# KiCad board eurocard mux.kicad_pcb (continued)
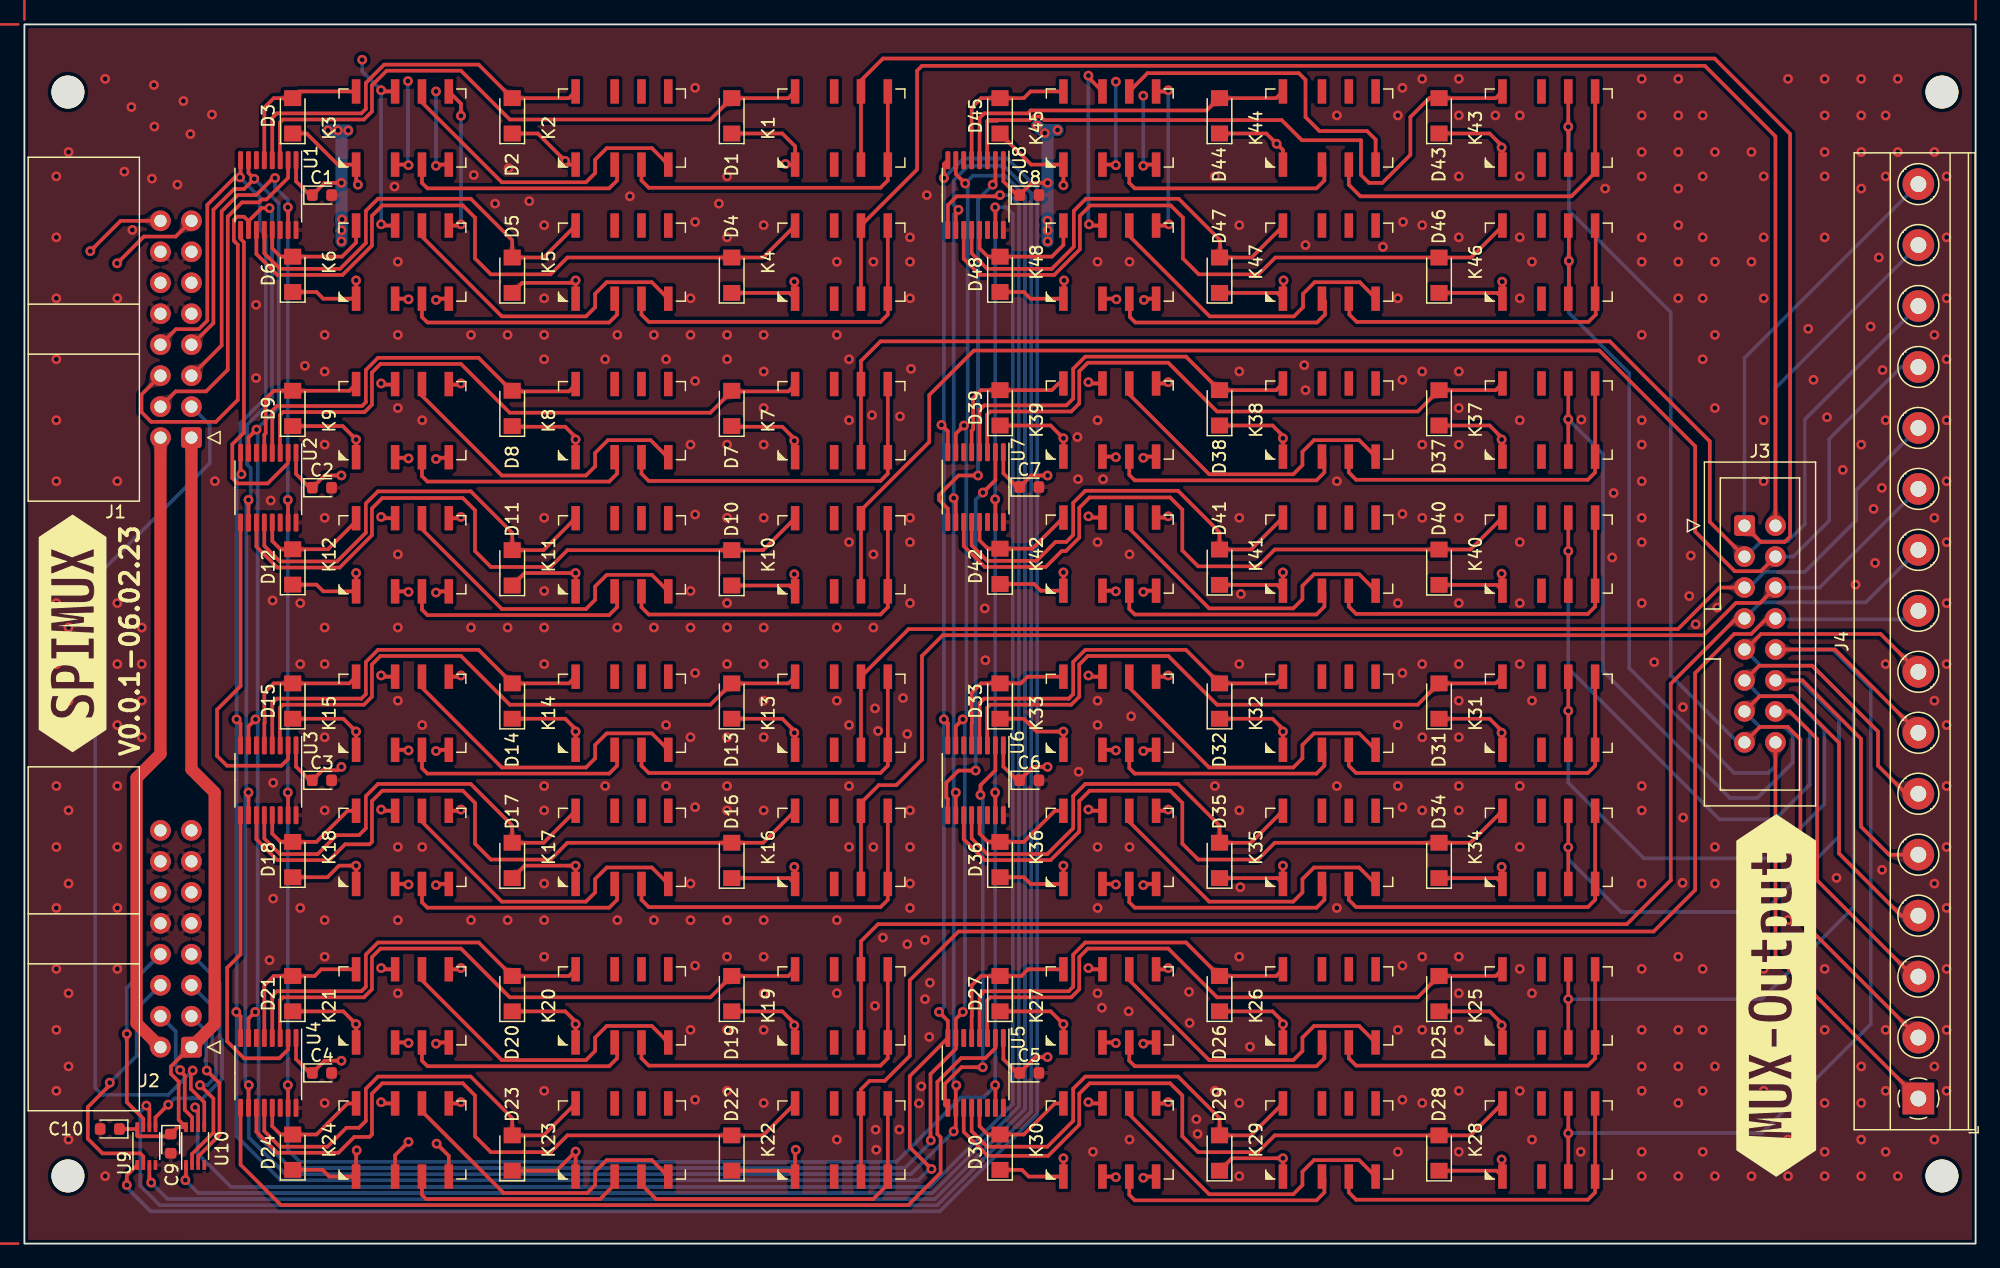
[diagram p0: board, top side]
## Copper pours and planes (outline as drawn; the poured copper is in the pictures) (continued)
/Relay_group1/Relays2/ai/pow on Top: 39.85,82.17 39.84,82.02 39.82,81.89 39.8,81.79 39.76,81.7 39.71,81.62 39.66,81.54 39.6,81.47 39.54,81.38 39.48,81.28 39.42,81.16 40,80.55 40.58,81.16 40.52,81.28 40.46,81.38 40.4,81.47 40.34,81.54 40.29,81.62 40.24,81.7 40.2,81.79 40.18,81.89 40.16,82.02 40.15,82.17
/Relay_group1/Relays2/in/out on Top: 23.29,81.1 23.14,81.11 23.02,81.13 22.91,81.15 22.82,81.19 22.74,81.24 22.67,81.29 22.59,81.35 22.5,81.41 22.4,81.47 22.28,81.53 21.67,80.95 22.28,80.36 22.4,80.43 22.5,80.49 22.59,80.55 22.67,80.61 22.74,80.66 22.82,80.71 22.91,80.75 23.02,80.77 23.14,80.79 23.29,80.8
/Relay_group1/Relays2/in/out on Top: 20.68,81.06 20.79,80.96 20.88,80.89 20.97,80.83 21.05,80.79 21.21,80.72 21.28,80.68 21.36,80.64 21.45,80.57 21.54,80.49 22.33,80.95 21.72,81.53 21.62,81.48 21.53,81.41 21.37,81.28 21.29,81.23 21.22,81.18 21.14,81.16 21.06,81.16 20.98,81.2 20.89,81.27
/Relay_group1/Relays2/on/off on Top: 59.29,81.03 59.14,81.04 59.02,81.05 58.91,81.08 58.82,81.12 58.74,81.17 58.67,81.22 58.59,81.28 58.5,81.34 58.4,81.4 58.28,81.46 57.67,80.88 58.28,80.29 58.4,80.36 58.5,80.42 58.59,80.48 58.67,80.54 58.74,80.59 58.82,80.64 58.91,80.67 59.02,80.7 59.14,80.72 59.29,80.73
/Relay_group1/Relays2/on/off on Top: 56.71,80.73 56.86,80.72 56.98,80.7 57.09,80.67 57.18,80.64 57.26,80.59 57.33,80.54 57.41,80.48 57.5,80.42 57.6,80.36 57.72,80.29 58.33,80.88 57.72,81.46 57.6,81.4 57.5,81.34 57.41,81.28 57.33,81.22 57.26,81.17 57.18,81.12 57.09,81.08 56.98,81.05 56.86,81.04 56.71,81.03
/Relay_group2/Relays1/ai/pow on Top: 41.29,70.05 41.14,70.06 41.02,70.08 40.92,70.11 40.84,70.14 40.76,70.19 40.69,70.25 40.53,70.37 40.44,70.44 40.33,70.51 39.68,69.98 40.24,69.34 40.36,69.4 40.47,69.46 40.56,69.51 40.64,69.56 40.72,69.61 40.81,69.66 40.9,69.7 41.01,69.73 41.14,69.74 41.29,69.75
/Relay_group2/Relays1/ai/pow on Top: 38.98,70.71 39.08,70.6 39.16,70.5 39.21,70.4 39.24,70.31 39.27,70.22 39.28,70.13 39.3,70.04 39.32,69.94 39.35,69.83 39.4,69.7 40.24,69.73 40.18,70.58 40.05,70.61 39.94,70.62 39.84,70.63 39.75,70.64 39.66,70.66 39.57,70.67 39.49,70.71 39.4,70.75 39.3,70.82 39.19,70.92
/Relay_group2/Relays1/in/out on Top: 23.29,70.1 23.14,70.11 23.02,70.13 22.91,70.15 22.82,70.19 22.74,70.24 22.67,70.29 22.59,70.35 22.5,70.41 22.4,70.47 22.28,70.53 21.67,69.95 22.28,69.36 22.4,69.43 22.5,69.49 22.59,69.55 22.67,69.61 22.74,69.66 22.82,69.71 22.91,69.75 23.02,69.77 23.14,69.79 23.29,69.8
/Relay_group2/Relays1/in/out on Top: 20.71,69.8 20.86,69.79 20.98,69.77 21.09,69.75 21.18,69.71 21.26,69.66 21.33,69.61 21.41,69.55 21.5,69.49 21.6,69.43 21.72,69.36 22.33,69.95 21.72,70.53 21.6,70.47 21.5,70.41 21.41,70.35 21.33,70.29 21.26,70.24 21.18,70.19 21.09,70.15 20.98,70.13 20.86,70.11 20.71,70.1
/Relay_group2/Relays1/on/off on Top: 57.21,68.9 57.32,69 57.43,69.08 57.52,69.13 57.62,69.17 57.71,69.2 57.8,69.22 57.9,69.24 58,69.27 58.12,69.3 58.25,69.35 58.22,70.19 57.38,70.13 57.34,70 57.32,69.89 57.3,69.68 57.28,69.59 57.26,69.5 57.22,69.41 57.17,69.32 57.1,69.22 57,69.11
/Relay_group2/Relays1/on/off on Top: 59.29,70.05 59.14,70.06 59.02,70.08 58.92,70.11 58.84,70.14 58.76,70.19 58.69,70.25 58.53,70.37 58.44,70.44 58.33,70.51 57.68,69.98 58.24,69.34 58.36,69.4 58.47,69.46 58.56,69.51 58.64,69.56 58.72,69.61 58.81,69.66 58.9,69.7 59.01,69.73 59.14,69.74 59.29,69.75
/Relay_group2/Relays2/ai/pow on Top: 41.29,57.03 41.14,57.04 41.02,57.05 40.91,57.08 40.82,57.12 40.74,57.17 40.67,57.22 40.59,57.28 40.5,57.34 40.4,57.4 40.28,57.46 39.67,56.88 40.28,56.29 40.4,56.36 40.5,56.42 40.59,56.48 40.67,56.54 40.74,56.59 40.82,56.64 40.91,56.67 41.02,56.7 41.14,56.72 41.29,56.73
/Relay_group2/Relays2/ai/pow on Top: 39.85,58.17 39.84,58.02 39.82,57.89 39.8,57.79 39.76,57.7 39.71,57.62 39.66,57.54 39.6,57.47 39.54,57.38 39.48,57.28 39.42,57.16 40,56.55 40.58,57.16 40.52,57.28 40.46,57.38 40.4,57.47 40.34,57.54 40.29,57.62 40.24,57.7 40.2,57.79 40.18,57.89 40.16,58.02 40.15,58.17
/Relay_group2/Relays2/in/out on Top: 20.68,57.06 20.79,56.96 20.88,56.89 20.97,56.83 21.05,56.79 21.21,56.72 21.28,56.68 21.36,56.64 21.45,56.57 21.54,56.49 22.33,56.95 21.72,57.53 21.62,57.48 21.53,57.41 21.37,57.28 21.29,57.23 21.22,57.18 21.14,57.16 21.06,57.16 20.98,57.2 20.89,57.27
/Relay_group2/Relays2/in/out on Top: 23.29,57.1 23.14,57.11 23.02,57.13 22.91,57.15 22.82,57.19 22.74,57.24 22.67,57.29 22.59,57.35 22.5,57.41 22.4,57.47 22.28,57.53 21.67,56.95 22.28,56.36 22.4,56.43 22.5,56.49 22.59,56.55 22.67,56.61 22.74,56.66 22.82,56.71 22.91,56.75 23.02,56.77 23.14,56.79 23.29,56.8
/Relay_group2/Relays2/on/off on Top: 56.71,56.73 56.86,56.72 56.98,56.7 57.09,56.67 57.18,56.64 57.26,56.59 57.33,56.54 57.41,56.48 57.5,56.42 57.6,56.36 57.72,56.29 58.33,56.88 57.72,57.46 57.6,57.4 57.5,57.34 57.41,57.28 57.33,57.22 57.26,57.17 57.18,57.12 57.09,57.08 56.98,57.05 56.86,57.04 56.71,57.03
/Relay_group2/Relays2/on/off on Top: 59.29,57.03 59.14,57.04 59.02,57.05 58.91,57.08 58.82,57.12 58.74,57.17 58.67,57.22 58.59,57.28 58.5,57.34 58.4,57.4 58.28,57.46 57.67,56.88 58.28,56.29 58.4,56.36 58.5,56.42 58.59,56.48 58.67,56.54 58.74,56.59 58.82,56.64 58.91,56.67 59.02,56.7 59.14,56.72 59.29,56.73
/Relay_group3/Relays1/ai/pow on Top: 38.98,46.76 39.08,46.65 39.16,46.54 39.21,46.45 39.25,46.36 39.27,46.27 39.29,46.18 39.3,46.08 39.32,45.98 39.35,45.86 39.39,45.74 40.23,45.72 40.21,46.56 40.09,46.6 39.97,46.63 39.87,46.65 39.77,46.66 39.68,46.68 39.59,46.7 39.5,46.74 39.41,46.79 39.3,46.87 39.19,46.97
/Relay_group3/Relays1/ai/pow on Top: 41.29,46.1 41.14,46.11 41.02,46.13 40.91,46.15 40.82,46.19 40.74,46.24 40.67,46.29 40.59,46.35 40.5,46.41 40.4,46.47 40.28,46.53 39.67,45.95 40.28,45.36 40.4,45.43 40.5,45.49 40.59,45.55 40.67,45.61 40.74,45.66 40.82,45.71 40.91,45.75 41.02,45.77 41.14,45.79 41.29,45.8
/Relay_group3/Relays1/in/out on Top: 20.71,45.8 20.86,45.79 20.98,45.77 21.09,45.75 21.18,45.71 21.26,45.66 21.33,45.61 21.41,45.55 21.5,45.49 21.6,45.43 21.72,45.36 22.33,45.95 21.72,46.53 21.6,46.47 21.5,46.41 21.41,46.35 21.33,46.29 21.26,46.24 21.18,46.19 21.09,46.15 20.98,46.13 20.86,46.11 20.71,46.1
/Relay_group3/Relays1/in/out on Top: 23.29,46.1 23.14,46.11 23.02,46.13 22.91,46.15 22.82,46.19 22.74,46.24 22.67,46.29 22.59,46.35 22.5,46.41 22.4,46.47 22.28,46.53 21.67,45.95 22.28,45.36 22.4,45.43 22.5,45.49 22.59,45.55 22.67,45.61 22.74,45.66 22.82,45.71 22.91,45.75 23.02,45.77 23.14,45.79 23.29,45.8
/Relay_group3/Relays1/on/off on Top: 59.29,46.1 59.14,46.11 59.02,46.13 58.91,46.15 58.82,46.19 58.74,46.24 58.67,46.29 58.59,46.35 58.5,46.41 58.4,46.47 58.28,46.53 57.67,45.95 58.28,45.36 58.4,45.43 58.5,45.49 58.59,45.55 58.67,45.61 58.74,45.66 58.82,45.71 58.91,45.75 59.02,45.77 59.14,45.79 59.29,45.8
/Relay_group3/Relays1/on/off on Top: 57.19,44.93 57.3,45.03 57.41,45.11 57.5,45.16 57.59,45.2 57.68,45.22 57.77,45.24 57.87,45.25 57.97,45.27 58.09,45.3 58.21,45.34 58.23,46.18 57.39,46.16 57.35,46.04 57.32,45.92 57.3,45.82 57.29,45.72 57.27,45.63 57.25,45.54 57.21,45.45 57.16,45.36 57.08,45.25 56.98,45.14
/Relay_group3/Relays2/ai/pow on Top: 41.29,33.03 41.14,33.04 41.02,33.05 40.91,33.08 40.82,33.12 40.74,33.17 40.67,33.22 40.59,33.28 40.5,33.34 40.4,33.4 40.28,33.46 39.67,32.88 40.28,32.29 40.4,32.36 40.5,32.42 40.59,32.48 40.67,32.54 40.74,32.59 40.82,32.64 40.91,32.67 41.02,32.7 41.14,32.72 41.29,32.73
/Relay_group3/Relays2/ai/pow on Top: 39.85,34.17 39.84,34.02 39.82,33.89 39.8,33.79 39.76,33.7 39.71,33.62 39.66,33.54 39.6,33.47 39.54,33.38 39.48,33.28 39.42,33.16 40,32.55 40.58,33.16 40.52,33.28 40.46,33.38 40.4,33.47 40.34,33.54 40.29,33.62 40.24,33.7 40.2,33.79 40.18,33.89 40.16,34.02 40.15,34.17
/Relay_group3/Relays2/in/out on Top: 20.68,33.06 20.79,32.96 20.88,32.89 20.97,32.83 21.05,32.79 21.21,32.72 21.28,32.68 21.36,32.64 21.45,32.57 21.54,32.49 22.33,32.95 21.72,33.53 21.62,33.48 21.53,33.41 21.37,33.28 21.29,33.23 21.22,33.18 21.14,33.16 21.06,33.16 20.98,33.2 20.89,33.27
/Relay_group3/Relays2/in/out on Top: 23.29,33.1 23.14,33.11 23.02,33.13 22.91,33.15 22.82,33.19 22.74,33.24 22.67,33.29 22.59,33.35 22.5,33.41 22.4,33.47 22.28,33.53 21.67,32.95 22.28,32.36 22.4,32.43 22.5,32.49 22.59,32.55 22.67,32.61 22.74,32.66 22.82,32.71 22.91,32.75 23.02,32.77 23.14,32.79 23.29,32.8
/Relay_group3/Relays2/on/off on Top: 59.29,33.03 59.14,33.04 59.02,33.05 58.91,33.08 58.82,33.12 58.74,33.17 58.67,33.22 58.59,33.28 58.5,33.34 58.4,33.4 58.28,33.46 57.67,32.88 58.28,32.29 58.4,32.36 58.5,32.42 58.59,32.48 58.67,32.54 58.74,32.59 58.82,32.64 58.91,32.67 59.02,32.7 59.14,32.72 59.29,32.73
/Relay_group3/Relays2/on/off on Top: 56.71,32.73 56.86,32.72 56.98,32.7 57.09,32.67 57.18,32.64 57.26,32.59 57.33,32.54 57.41,32.48 57.5,32.42 57.6,32.36 57.72,32.29 58.33,32.88 57.72,33.46 57.6,33.4 57.5,33.34 57.41,33.28 57.33,33.22 57.26,33.17 57.18,33.12 57.09,33.08 56.98,33.05 56.86,33.04 56.71,33.03
/Relay_group4/Relays1/ai/pow on Top: 41.29,22.1 41.14,22.11 41.02,22.13 40.91,22.15 40.82,22.19 40.74,22.24 40.67,22.29 40.59,22.35 40.5,22.41 40.4,22.47 40.28,22.53 39.67,21.95 40.28,21.36 40.4,21.43 40.5,21.49 40.59,21.55 40.67,21.61 40.74,21.66 40.82,21.71 40.91,21.75 41.02,21.77 41.14,21.79 41.29,21.8
/Relay_group4/Relays1/ai/pow on Top: 38.98,22.76 39.08,22.65 39.16,22.54 39.21,22.45 39.25,22.36 39.27,22.27 39.29,22.18 39.3,22.08 39.32,21.98 39.35,21.86 39.39,21.74 40.23,21.72 40.21,22.56 40.09,22.6 39.97,22.63 39.87,22.65 39.77,22.66 39.68,22.68 39.59,22.7 39.5,22.74 39.41,22.79 39.3,22.87 39.19,22.97
/Relay_group4/Relays1/in/out on Top: 23.29,22.1 23.14,22.11 23.02,22.13 22.91,22.15 22.82,22.19 22.74,22.24 22.67,22.29 22.59,22.35 22.5,22.41 22.4,22.47 22.28,22.53 21.67,21.95 22.28,21.36 22.4,21.43 22.5,21.49 22.59,21.55 22.67,21.61 22.74,21.66 22.82,21.71 22.91,21.75 23.02,21.77 23.14,21.79 23.29,21.8
/Relay_group4/Relays1/in/out on Top: 20.71,21.8 20.86,21.79 20.98,21.77 21.09,21.75 21.18,21.71 21.26,21.66 21.33,21.61 21.41,21.55 21.5,21.49 21.6,21.43 21.72,21.36 22.33,21.95 21.72,22.53 21.6,22.47 21.5,22.41 21.41,22.35 21.33,22.29 21.26,22.24 21.18,22.19 21.09,22.15 20.98,22.13 20.86,22.11 20.71,22.1
/Relay_group4/Relays1/on/off on Top: 59.29,22.1 59.14,22.11 59.02,22.13 58.91,22.15 58.82,22.19 58.74,22.24 58.67,22.29 58.59,22.35 58.5,22.41 58.4,22.47 58.28,22.53 57.67,21.95 58.28,21.36 58.4,21.43 58.5,21.49 58.59,21.55 58.67,21.61 58.74,21.66 58.82,21.71 58.91,21.75 59.02,21.77 59.14,21.79 59.29,21.8
/Relay_group4/Relays1/on/off on Top: 57.19,20.93 57.3,21.03 57.41,21.11 57.5,21.16 57.59,21.2 57.68,21.22 57.77,21.24 57.87,21.25 57.97,21.27 58.09,21.3 58.21,21.34 58.23,22.18 57.39,22.16 57.35,22.04 57.32,21.92 57.3,21.82 57.29,21.72 57.27,21.63 57.25,21.54 57.21,21.45 57.16,21.36 57.08,21.25 56.98,21.14
/Relay_group4/Relays2/ai/pow on Top: 41.29,9.03 41.14,9.04 41.02,9.05 40.91,9.08 40.82,9.12 40.74,9.17 40.67,9.22 40.59,9.28 40.5,9.34 40.4,9.4 40.28,9.46 39.67,8.88 40.28,8.29 40.4,8.36 40.5,8.42 40.59,8.48 40.67,8.54 40.74,8.59 40.82,8.64 40.91,8.67 41.02,8.7 41.14,8.72 41.29,8.73
/Relay_group4/Relays2/ai/pow on Top: 39.85,10.17 39.84,10.02 39.82,9.89 39.8,9.79 39.76,9.7 39.71,9.62 39.66,9.54 39.6,9.47 39.54,9.38 39.48,9.28 39.42,9.16 40,8.55 40.58,9.16 40.52,9.28 40.46,9.38 40.4,9.47 40.34,9.54 40.29,9.62 40.24,9.7 40.2,9.79 40.18,9.89 40.16,10.02 40.15,10.17
/Relay_group4/Relays2/in/out on Top: 23.29,9.1 23.14,9.11 23.02,9.13 22.91,9.15 22.82,9.19 22.74,9.24 22.67,9.29 22.59,9.35 22.5,9.41 22.4,9.47 22.28,9.53 21.67,8.95 22.28,8.37 22.4,8.43 22.5,8.49 22.59,8.55 22.67,8.61 22.74,8.66 22.82,8.71 22.91,8.75 23.02,8.77 23.14,8.79 23.29,8.8
/Relay_group4/Relays2/in/out on Top: 20.68,9.06 20.79,8.96 20.88,8.89 20.97,8.83 21.05,8.79 21.21,8.72 21.28,8.68 21.36,8.64 21.45,8.57 21.54,8.49 22.33,8.95 21.72,9.53 21.62,9.48 21.53,9.41 21.37,9.28 21.29,9.23 21.22,9.18 21.14,9.16 21.06,9.16 20.98,9.2 20.89,9.27
/Relay_group4/Relays2/on/off on Top: 59.29,9.03 59.14,9.04 59.02,9.05 58.91,9.08 58.82,9.12 58.74,9.17 58.67,9.22 58.59,9.28 58.5,9.34 58.4,9.4 58.28,9.46 57.67,8.88 58.28,8.29 58.4,8.36 58.5,8.42 58.59,8.48 58.67,8.54 58.74,8.59 58.82,8.64 58.91,8.67 59.02,8.7 59.14,8.72 59.29,8.73
/Relay_group4/Relays2/on/off on Top: 56.71,8.73 56.86,8.72 56.98,8.7 57.09,8.67 57.18,8.64 57.26,8.59 57.33,8.54 57.41,8.48 57.5,8.42 57.6,8.36 57.72,8.29 58.33,8.88 57.72,9.46 57.6,9.4 57.5,9.34 57.41,9.28 57.33,9.22 57.26,9.17 57.18,9.12 57.09,9.08 56.98,9.05 56.86,9.04 56.71,9.03
/Relay_group5/Relays1/ai/pow on Top: 96.98,22.76 97.08,22.65 97.16,22.54 97.21,22.45 97.25,22.36 97.27,22.27 97.29,22.18 97.3,22.08 97.32,21.98 97.35,21.86 97.39,21.74 98.23,21.72 98.21,22.56 98.09,22.6 97.97,22.63 97.87,22.65 97.77,22.66 97.68,22.68 97.59,22.7 97.5,22.74 97.41,22.79 97.3,22.87 97.19,22.97
/Relay_group5/Relays1/ai/pow on Top: 99.29,22.1 99.14,22.11 99.02,22.13 98.91,22.15 98.82,22.19 98.74,22.24 98.67,22.29 98.59,22.35 98.5,22.41 98.4,22.47 98.28,22.53 97.68,21.95 98.28,21.36 98.4,21.43 98.5,21.49 98.59,21.55 98.67,21.61 98.74,21.66 98.82,21.71 98.91,21.75 99.02,21.77 99.14,21.79 99.29,21.8
/Relay_group5/Relays1/in/out on Top: 81.29,22.1 81.14,22.11 81.02,22.13 80.91,22.15 80.82,22.19 80.74,22.24 80.67,22.29 80.59,22.35 80.5,22.41 80.4,22.47 80.28,22.53 79.68,21.95 80.28,21.36 80.4,21.43 80.5,21.49 80.59,21.55 80.67,21.61 80.74,21.66 80.82,21.71 80.91,21.75 81.02,21.77 81.14,21.79 81.29,21.8
/Relay_group5/Relays1/in/out on Top: 78.71,21.8 78.86,21.79 78.98,21.77 79.09,21.75 79.18,21.71 79.26,21.66 79.33,21.61 79.41,21.55 79.5,21.49 79.6,21.43 79.72,21.36 80.32,21.95 79.72,22.53 79.6,22.47 79.5,22.41 79.41,22.35 79.33,22.29 79.26,22.24 79.18,22.19 79.09,22.15 78.98,22.13 78.86,22.11 78.71,22.1
/Relay_group5/Relays1/on/off on Top: 117.29,22.1 117.14,22.11 117.02,22.13 116.91,22.15 116.82,22.19 116.74,22.24 116.67,22.29 116.59,22.35 116.5,22.41 116.4,22.47 116.28,22.53 115.68,21.95 116.28,21.36 116.4,21.43 116.5,21.49 116.59,21.55 116.67,21.61 116.74,21.66 116.82,21.71 116.91,21.75 117.02,21.77 117.14,21.79 117.29,21.8
/Relay_group5/Relays1/on/off on Top: 115.19,20.93 115.3,21.03 115.41,21.11 115.5,21.16 115.59,21.2 115.68,21.22 115.77,21.24 115.87,21.25 115.97,21.27 116.09,21.3 116.21,21.34 116.23,22.18 115.39,22.16 115.35,22.04 115.32,21.92 115.3,21.82 115.29,21.72 115.27,21.63 115.25,21.54 115.21,21.45 115.16,21.36 115.08,21.25 114.98,21.14
/Relay_group5/Relays2/ai/pow on Top: 97.85,10.17 97.84,10.02 97.82,9.89 97.8,9.79 97.76,9.7 97.71,9.62 97.66,9.54 97.6,9.47 97.54,9.38 97.48,9.28 97.41,9.16 98,8.55 98.59,9.16 98.52,9.28 98.46,9.38 98.4,9.47 98.34,9.54 98.29,9.62 98.24,9.7 98.2,9.79 98.18,9.89 98.16,10.02 98.15,10.17
/Relay_group5/Relays2/ai/pow on Top: 99.29,9.03 99.14,9.04 99.02,9.05 98.91,9.08 98.82,9.12 98.74,9.17 98.67,9.22 98.59,9.28 98.5,9.34 98.4,9.4 98.28,9.46 97.68,8.88 98.28,8.29 98.4,8.36 98.5,8.42 98.59,8.48 98.67,8.54 98.74,8.59 98.82,8.64 98.91,8.67 99.02,8.7 99.14,8.72 99.29,8.73
/Relay_group5/Relays2/in/out on Top: 78.68,9.06 78.79,8.96 78.88,8.89 78.97,8.83 79.05,8.79 79.21,8.72 79.28,8.68 79.36,8.64 79.45,8.57 79.54,8.49 80.32,8.95 79.72,9.53 79.62,9.48 79.53,9.41 79.37,9.28 79.29,9.23 79.22,9.18 79.14,9.16 79.06,9.16 78.98,9.2 78.89,9.27
/Relay_group5/Relays2/in/out on Top: 81.29,9.1 81.14,9.11 81.02,9.13 80.91,9.15 80.82,9.19 80.74,9.24 80.67,9.29 80.59,9.35 80.5,9.41 80.4,9.47 80.28,9.53 79.68,8.95 80.28,8.37 80.4,8.43 80.5,8.49 80.59,8.55 80.67,8.61 80.74,8.66 80.82,8.71 80.91,8.75 81.02,8.77 81.14,8.79 81.29,8.8
/Relay_group5/Relays2/on/off on Top: 117.29,9.03 117.14,9.04 117.02,9.05 116.91,9.08 116.82,9.12 116.74,9.17 116.67,9.22 116.59,9.28 116.5,9.34 116.4,9.4 116.28,9.46 115.68,8.88 116.28,8.29 116.4,8.36 116.5,8.42 116.59,8.48 116.67,8.54 116.74,8.59 116.82,8.64 116.91,8.67 117.02,8.7 117.14,8.72 117.29,8.73
/Relay_group5/Relays2/on/off on Top: 114.71,8.73 114.86,8.72 114.98,8.7 115.09,8.67 115.18,8.64 115.26,8.59 115.33,8.54 115.41,8.48 115.5,8.42 115.6,8.36 115.72,8.29 116.32,8.88 115.72,9.46 115.6,9.4 115.5,9.34 115.41,9.28 115.33,9.22 115.26,9.17 115.18,9.12 115.09,9.08 114.98,9.05 114.86,9.04 114.71,9.03
/Relay_group6/Relays1/ai/pow on Top: 99.29,46.1 99.14,46.11 99.02,46.13 98.91,46.15 98.82,46.19 98.74,46.24 98.67,46.29 98.59,46.35 98.5,46.41 98.4,46.47 98.28,46.53 97.68,45.95 98.28,45.36 98.4,45.43 98.5,45.49 98.59,45.55 98.67,45.61 98.74,45.66 98.82,45.71 98.91,45.75 99.02,45.77 99.14,45.79 99.29,45.8
/Relay_group6/Relays1/ai/pow on Top: 96.98,46.76 97.08,46.65 97.16,46.54 97.21,46.45 97.25,46.36 97.27,46.27 97.29,46.18 97.3,46.08 97.32,45.98 97.35,45.86 97.39,45.74 98.23,45.72 98.21,46.56 98.09,46.6 97.97,46.63 97.87,46.65 97.77,46.66 97.68,46.68 97.59,46.7 97.5,46.74 97.41,46.79 97.3,46.87 97.19,46.97
/Relay_group6/Relays1/in/out on Top: 78.71,45.8 78.86,45.79 78.98,45.77 79.09,45.75 79.18,45.71 79.26,45.66 79.33,45.61 79.41,45.55 79.5,45.49 79.6,45.43 79.72,45.36 80.32,45.95 79.72,46.53 79.6,46.47 79.5,46.41 79.41,46.35 79.33,46.29 79.26,46.24 79.18,46.19 79.09,46.15 78.98,46.13 78.86,46.11 78.71,46.1
/Relay_group6/Relays1/in/out on Top: 81.29,46.1 81.14,46.11 81.02,46.13 80.91,46.15 80.82,46.19 80.74,46.24 80.67,46.29 80.59,46.35 80.5,46.41 80.4,46.47 80.28,46.53 79.68,45.95 80.28,45.36 80.4,45.43 80.5,45.49 80.59,45.55 80.67,45.61 80.74,45.66 80.82,45.71 80.91,45.75 81.02,45.77 81.14,45.79 81.29,45.8
/Relay_group6/Relays1/on/off on Top: 115.19,44.93 115.3,45.03 115.41,45.11 115.5,45.16 115.59,45.2 115.68,45.22 115.77,45.24 115.87,45.25 115.97,45.27 116.09,45.3 116.21,45.34 116.23,46.18 115.39,46.16 115.35,46.04 115.32,45.92 115.3,45.82 115.29,45.72 115.27,45.63 115.25,45.54 115.21,45.45 115.16,45.36 115.08,45.25 114.98,45.14
/Relay_group6/Relays1/on/off on Top: 117.29,46.1 117.14,46.11 117.02,46.13 116.91,46.15 116.82,46.19 116.74,46.24 116.67,46.29 116.59,46.35 116.5,46.41 116.4,46.47 116.28,46.53 115.68,45.95 116.28,45.36 116.4,45.43 116.5,45.49 116.59,45.55 116.67,45.61 116.74,45.66 116.82,45.71 116.91,45.75 117.02,45.77 117.14,45.79 117.29,45.8
/Relay_group6/Relays2/ai/pow on Top: 97.85,34.17 97.84,34.02 97.82,33.89 97.8,33.79 97.76,33.7 97.71,33.62 97.66,33.54 97.6,33.47 97.54,33.38 97.48,33.28 97.41,33.16 98,32.55 98.59,33.16 98.52,33.28 98.46,33.38 98.4,33.47 98.34,33.54 98.29,33.62 98.24,33.7 98.2,33.79 98.18,33.89 98.16,34.02 98.15,34.17
/Relay_group6/Relays2/ai/pow on Top: 99.29,33.03 99.14,33.04 99.02,33.05 98.91,33.08 98.82,33.12 98.74,33.17 98.67,33.22 98.59,33.28 98.5,33.34 98.4,33.4 98.28,33.46 97.68,32.88 98.28,32.29 98.4,32.36 98.5,32.42 98.59,32.48 98.67,32.54 98.74,32.59 98.82,32.64 98.91,32.67 99.02,32.7 99.14,32.72 99.29,32.73
/Relay_group6/Relays2/in/out on Top: 81.29,33.1 81.14,33.11 81.02,33.13 80.91,33.15 80.82,33.19 80.74,33.24 80.67,33.29 80.59,33.35 80.5,33.41 80.4,33.47 80.28,33.53 79.68,32.95 80.28,32.36 80.4,32.43 80.5,32.49 80.59,32.55 80.67,32.61 80.74,32.66 80.82,32.71 80.91,32.75 81.02,32.77 81.14,32.79 81.29,32.8
/Relay_group6/Relays2/in/out on Top: 78.68,33.06 78.79,32.96 78.88,32.89 78.97,32.83 79.05,32.79 79.21,32.72 79.28,32.68 79.36,32.64 79.45,32.57 79.54,32.49 80.32,32.95 79.72,33.53 79.62,33.48 79.53,33.41 79.37,33.28 79.29,33.23 79.22,33.18 79.14,33.16 79.06,33.16 78.98,33.2 78.89,33.27
/Relay_group6/Relays2/on/off on Top: 117.29,33.03 117.14,33.04 117.02,33.05 116.91,33.08 116.82,33.12 116.74,33.17 116.67,33.22 116.59,33.28 116.5,33.34 116.4,33.4 116.28,33.46 115.68,32.88 116.28,32.29 116.4,32.36 116.5,32.42 116.59,32.48 116.67,32.54 116.74,32.59 116.82,32.64 116.91,32.67 117.02,32.7 117.14,32.72 117.29,32.73
/Relay_group6/Relays2/on/off on Top: 114.71,32.73 114.86,32.72 114.98,32.7 115.09,32.67 115.18,32.64 115.26,32.59 115.33,32.54 115.41,32.48 115.5,32.42 115.6,32.36 115.72,32.29 116.32,32.88 115.72,33.46 115.6,33.4 115.5,33.34 115.41,33.28 115.33,33.22 115.26,33.17 115.18,33.12 115.09,33.08 114.98,33.05 114.86,33.04 114.71,33.03
/Relay_group7/Relays1/ai/pow on Top: 99.29,70.15 99.14,70.16 99.02,70.18 98.91,70.2 98.82,70.24 98.74,70.29 98.67,70.34 98.59,70.4 98.5,70.46 98.4,70.52 98.28,70.58 97.68,70 98.28,69.42 98.4,69.48 98.5,69.54 98.59,69.6 98.67,69.66 98.74,69.71 98.82,69.76 98.91,69.8 99.02,69.82 99.14,69.84 99.29,69.85
/Relay_group7/Relays1/ai/pow on Top: 96.98,70.81 97.08,70.7 97.16,70.59 97.21,70.5 97.25,70.41 97.27,70.32 97.29,70.23 97.3,70.13 97.32,70.03 97.35,69.91 97.39,69.79 98.23,69.77 98.21,70.61 98.09,70.65 97.97,70.68 97.87,70.7 97.77,70.71 97.68,70.73 97.59,70.75 97.5,70.79 97.41,70.84 97.3,70.92 97.19,71.02
/Relay_group7/Relays1/in/out on Top: 81.29,70.15 81.14,70.16 81.02,70.18 80.91,70.2 80.82,70.24 80.74,70.29 80.67,70.34 80.59,70.4 80.5,70.46 80.4,70.52 80.28,70.58 79.68,70 80.28,69.42 80.4,69.48 80.5,69.54 80.59,69.6 80.67,69.66 80.74,69.71 80.82,69.76 80.91,69.8 81.02,69.82 81.14,69.84 81.29,69.85
/Relay_group7/Relays1/in/out on Top: 78.71,69.85 78.86,69.84 78.98,69.82 79.09,69.8 79.18,69.76 79.26,69.71 79.33,69.66 79.41,69.6 79.5,69.54 79.6,69.48 79.72,69.42 80.32,70 79.72,70.58 79.6,70.52 79.5,70.46 79.41,70.4 79.33,70.34 79.26,70.29 79.18,70.24 79.09,70.2 78.98,70.18 78.86,70.16 78.71,70.15
/Relay_group7/Relays1/on/off on Top: 115.19,68.98 115.3,69.08 115.41,69.16 115.5,69.21 115.59,69.25 115.68,69.27 115.77,69.29 115.87,69.3 115.97,69.32 116.09,69.35 116.21,69.39 116.23,70.23 115.39,70.21 115.35,70.09 115.32,69.97 115.3,69.87 115.29,69.77 115.27,69.68 115.25,69.59 115.21,69.5 115.16,69.41 115.08,69.3 114.98,69.19
/Relay_group7/Relays1/on/off on Top: 117.29,70.15 117.14,70.16 117.02,70.18 116.91,70.2 116.82,70.24 116.74,70.29 116.67,70.34 116.59,70.4 116.5,70.46 116.4,70.52 116.28,70.58 115.68,70 116.28,69.42 116.4,69.48 116.5,69.54 116.59,69.6 116.67,69.66 116.74,69.71 116.82,69.76 116.91,69.8 117.02,69.82 117.14,69.84 117.29,69.85
/Relay_group7/Relays2/ai/pow on Top: 97.85,58.22 97.84,58.07 97.82,57.94 97.8,57.84 97.76,57.75 97.71,57.67 97.66,57.59 97.6,57.52 97.54,57.43 97.48,57.33 97.41,57.21 98,56.6 98.59,57.21 98.52,57.33 98.46,57.43 98.4,57.52 98.34,57.59 98.29,57.67 98.24,57.75 98.2,57.84 98.18,57.94 98.16,58.07 98.15,58.22
/Relay_group7/Relays2/ai/pow on Top: 99.29,57.08 99.14,57.09 99.02,57.1 98.91,57.13 98.82,57.17 98.74,57.22 98.67,57.27 98.59,57.33 98.5,57.39 98.4,57.45 98.28,57.51 97.68,56.93 98.28,56.34 98.4,56.41 98.5,56.47 98.59,56.53 98.67,56.59 98.74,56.64 98.82,56.69 98.91,56.72 99.02,56.75 99.14,56.77 99.29,56.78
/Relay_group7/Relays2/in/out on Top: 78.68,57.11 78.79,57.01 78.88,56.94 78.97,56.88 79.05,56.84 79.21,56.77 79.28,56.73 79.36,56.69 79.45,56.62 79.54,56.54 80.32,57 79.72,57.58 79.62,57.53 79.53,57.46 79.37,57.33 79.29,57.28 79.22,57.23 79.14,57.21 79.06,57.21 78.98,57.25 78.89,57.32
/Relay_group7/Relays2/in/out on Top: 81.29,57.15 81.14,57.16 81.02,57.18 80.91,57.2 80.82,57.24 80.74,57.29 80.67,57.34 80.59,57.4 80.5,57.46 80.4,57.52 80.28,57.58 79.68,57 80.28,56.42 80.4,56.48 80.5,56.54 80.59,56.6 80.67,56.66 80.74,56.71 80.82,56.76 80.91,56.8 81.02,56.82 81.14,56.84 81.29,56.85
/Relay_group7/Relays2/on/off on Top: 117.29,57.08 117.14,57.09 117.02,57.1 116.91,57.13 116.82,57.17 116.74,57.22 116.67,57.27 116.59,57.33 116.5,57.39 116.4,57.45 116.28,57.51 115.68,56.93 116.28,56.34 116.4,56.41 116.5,56.47 116.59,56.53 116.67,56.59 116.74,56.64 116.82,56.69 116.91,56.72 117.02,56.75 117.14,56.77 117.29,56.78
/Relay_group7/Relays2/on/off on Top: 114.71,56.78 114.86,56.77 114.98,56.75 115.09,56.72 115.18,56.69 115.26,56.64 115.33,56.59 115.41,56.53 115.5,56.47 115.6,56.41 115.72,56.34 116.32,56.93 115.72,57.51 115.6,57.45 115.5,57.39 115.41,57.33 115.33,57.27 115.26,57.22 115.18,57.17 115.09,57.13 114.98,57.1 114.86,57.09 114.71,57.08
/Relay_group8/Relays1/ai/pow on Top: 97.16,92.95 97.27,93.05 97.37,93.12 97.46,93.17 97.55,93.21 97.64,93.23 97.73,93.25 97.94,93.27 98.05,93.29 98.18,93.33 98.24,94.17 97.4,94.2 97.35,94.07 97.32,93.95 97.29,93.85 97.27,93.75 97.25,93.66 97.22,93.57 97.18,93.47 97.13,93.38 97.05,93.27 96.95,93.16
/Relay_group8/Relays1/ai/pow on Top: 99.29,94.1 99.14,94.11 99.02,94.13 98.91,94.15 98.82,94.19 98.74,94.24 98.67,94.29 98.59,94.35 98.5,94.41 98.4,94.47 98.28,94.53 97.68,93.95 98.28,93.37 98.4,93.43 98.5,93.49 98.59,93.55 98.67,93.61 98.74,93.66 98.82,93.71 98.91,93.75 99.02,93.77 99.14,93.79 99.29,93.8
/Relay_group8/Relays1/in/out on Top: 81.29,94.1 81.14,94.11 81.02,94.13 80.91,94.15 80.82,94.19 80.74,94.24 80.67,94.29 80.59,94.35 80.5,94.41 80.4,94.47 80.28,94.53 79.68,93.95 80.28,93.37 80.4,93.43 80.5,93.49 80.59,93.55 80.67,93.61 80.74,93.66 80.82,93.71 80.91,93.75 81.02,93.77 81.14,93.79 81.29,93.8
/Relay_group8/Relays1/in/out on Top: 78.71,93.8 78.86,93.79 78.98,93.77 79.09,93.75 79.18,93.71 79.26,93.66 79.33,93.61 79.41,93.55 79.5,93.49 79.6,93.43 79.72,93.37 80.32,93.95 79.72,94.53 79.6,94.47 79.5,94.41 79.41,94.35 79.33,94.29 79.26,94.24 79.18,94.19 79.09,94.15 78.98,94.13 78.86,94.11 78.71,94.1
